# KiCad board PANEL5x4_COM_MOD.kicad_pcb (continued)
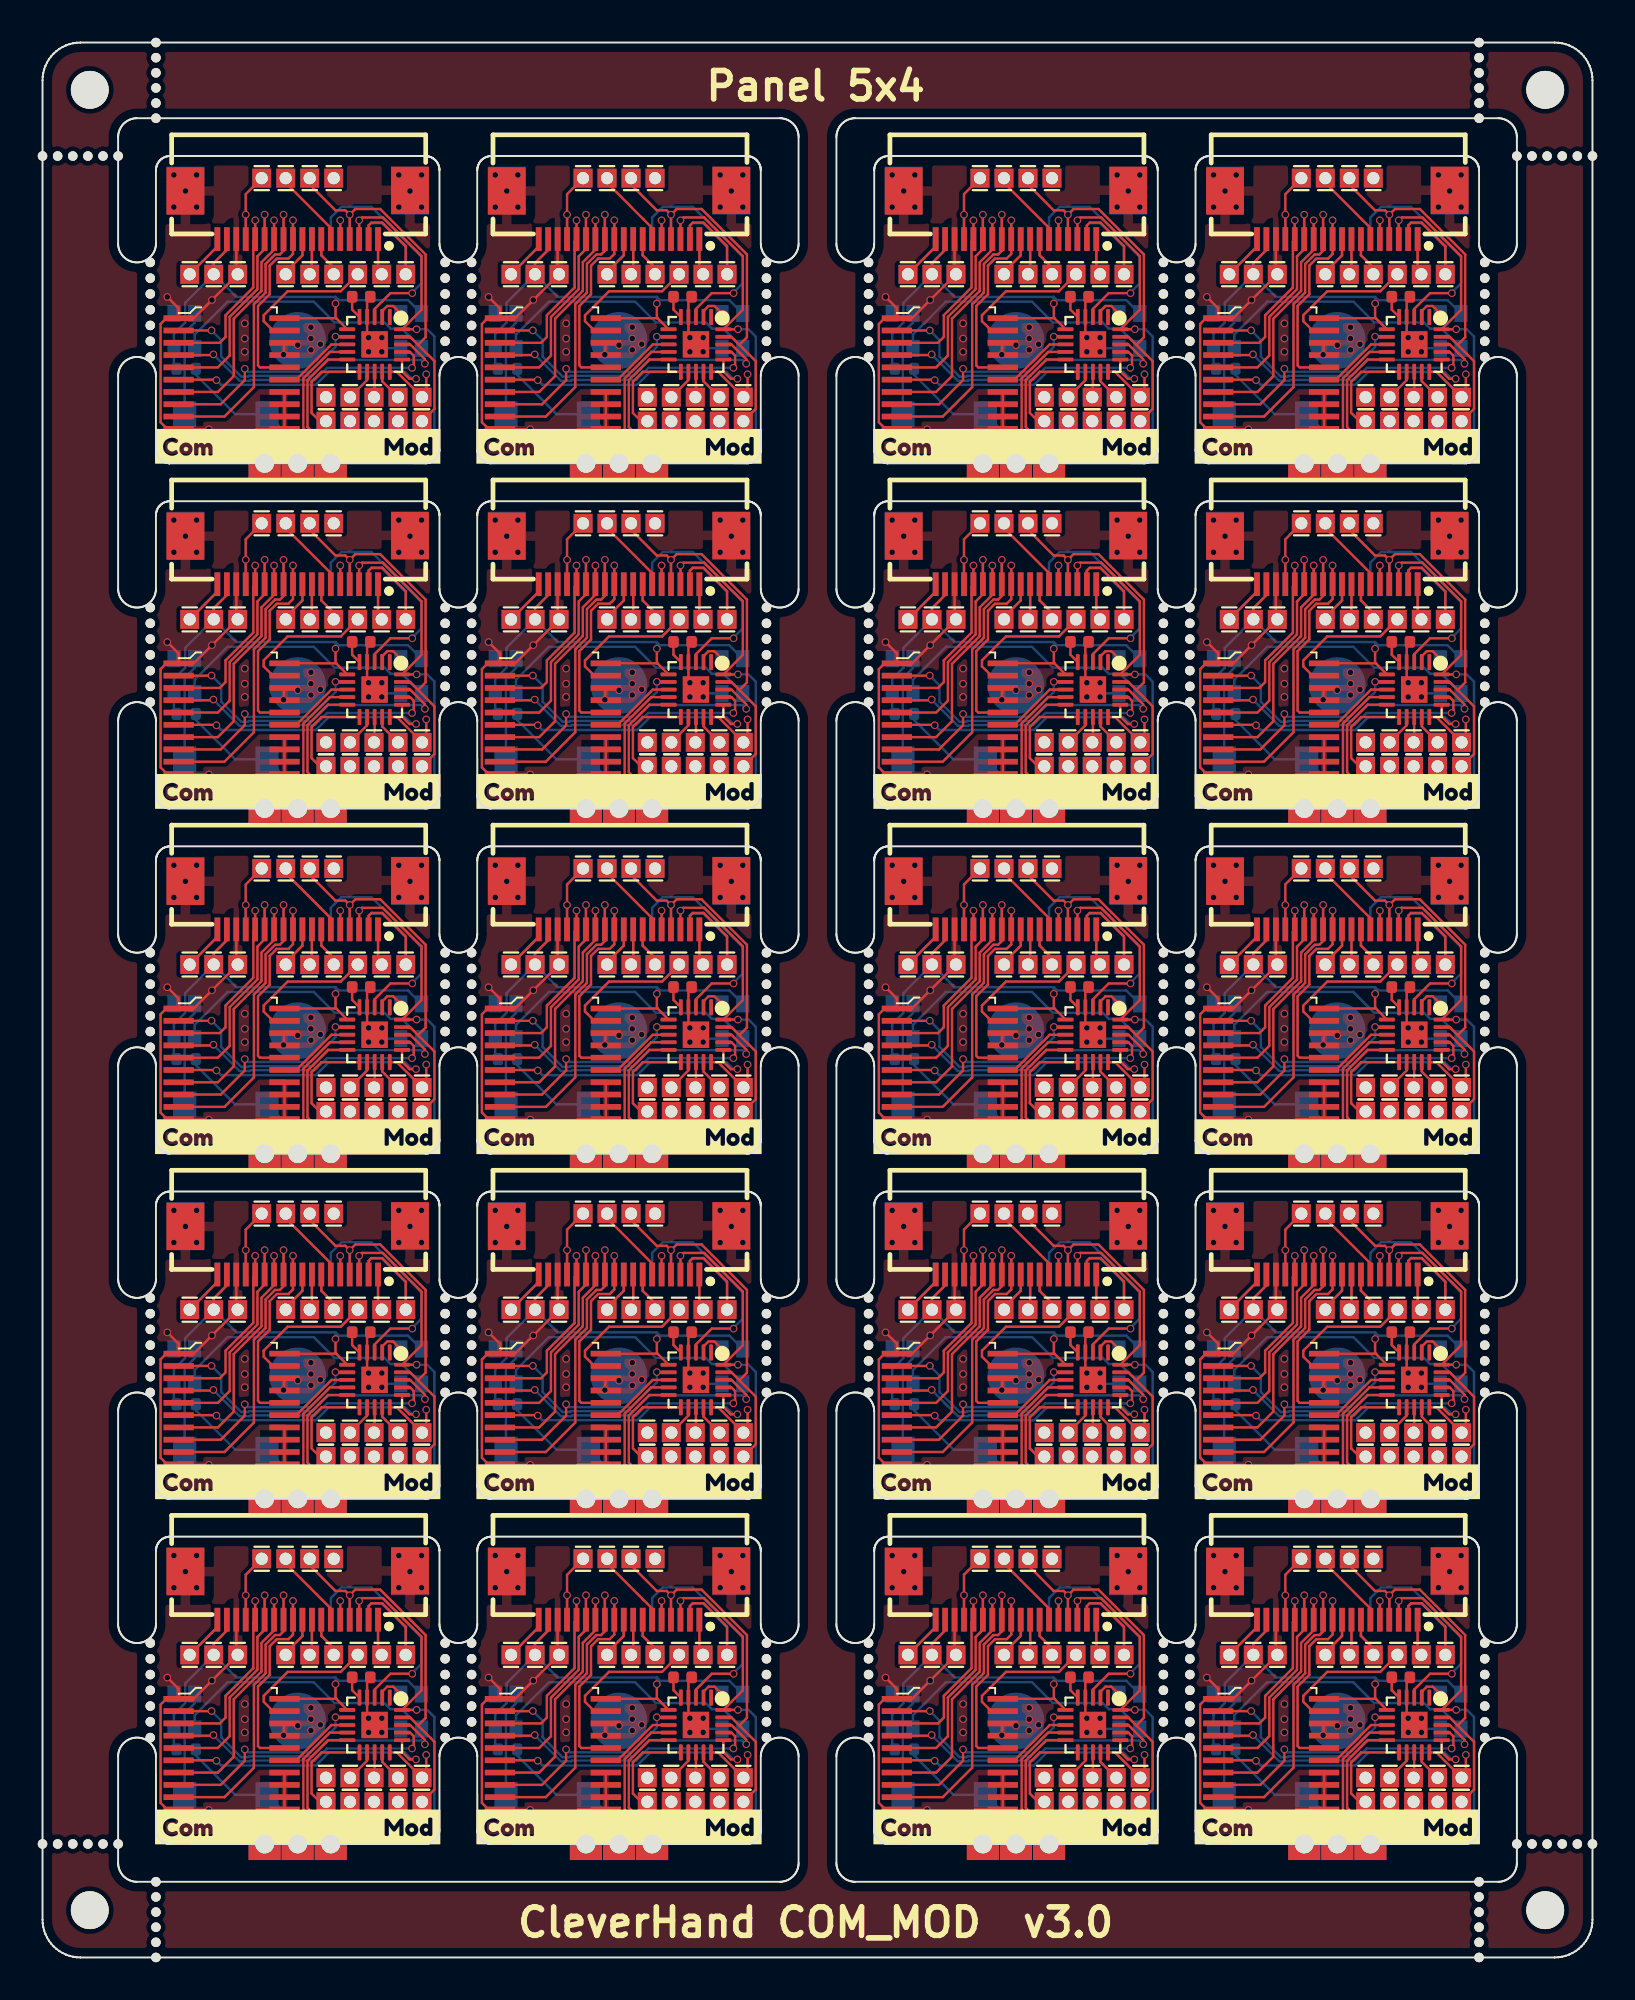
[diagram p0: board, top side]
## Routing (per net, layer and track width the routed paths; a pad name or vN(x,y) marks a point on that pad's centre or on a via; arc(x,y) is an arc through that point) (continued)
Board_13-/IO2: length 2.1
  Top w0.127: v1(32.75,37.1) 32.75,36.08
  Bottom w0.127: 32.75,36.08 v1(32.75,37.1)
Board_13-/LED_IN: length 1.6
  Top w0.127: U1#7.2 34.97,32.3 35.23,32.57 35.55,32.57 v1(35.95,32.17)
Board_13-/PICO: length 3.7
  Top w0.127: J6.1 31.25,34.37 31.25,36.08
  Bottom w0.127: J6.1 31.25,34.37 31.25,36.08
Board_13-/PICO_ARM: length 1.4
  Top w0.127: 34.54,27.75 34.57,27.78 U1#7.13
Board_13-/POCI: length 4.4
  Top w0.127: J5#13.1 29.87,34.37 30.75,35.25 30.75,36.08
  Bottom w0.127: J5#13.1 29.87,34.37 30.75,35.25 30.75,36.08
Board_13-/SCLK: length 4.2
  Top w0.127: 31.75,36.08 31.75,35.25 32.41,34.6 J7#18.1
  Bottom w0.127: 31.75,36.08 31.75,35.25 32.41,34.6 J7#18.1
Board_13-/SCLK_ARM: length 1.7
  Top w0.127: U1#7.12 34.17,28.65 33.27,27.75
Board_13-/SPICS_ARM: length 9.9
  Top w0.127: 34.54,26.48 33.67,25.61 31.27,25.61 30.8,26.08 30.8,28.74 32.2,30.14 U1#7.9
Board_13-/SWDIO/POCI_ARM: length 1.7
  Top w0.127: U1#7.14 34.97,28.59 35.81,27.75
Board_13-/Vcap: length 1.2
  Top w0.127: U1#7.5 33.38,32.38 C1#10.2
Board_13-GND: length 34.7
  Top w0.127: 29.34,28.03 U2#18.14 U2#18.11 ; v1(28.1,25.85) 28.32,26.08 U2#18.11 ; U2#18.11 30.45,26.08 ; C1#10.1 34.17,32.89 U1#7.4 34.17,30.94 34.21,30.9 v1(34.25,30.9) 34.25,30.86 U1#7.21 ; U2#18.1 23.55,31.93 23.25,31.62 23.25,26.42 23.59,26.08 U2#18.10 24.23,26.05 v1(25.8,26.05) ; U2#18.1 24.2,32.45 v1(23.6,33.05) ; U2#18.1 25,31.93 v1(25.96,32.89) J2#3.1 27.25,34.33 27.25,36.08 ; U2#18.18 v1(29.75,30) U2#18.17
  Bottom w0.127: 24.51,26.85 24.51,31.15 25.05,31.69 25.05,32.17 25.24,32.17 v1(25.96,32.89) ; 34.66,30.34 34.76,30.34 v1(34.95,30.15) 35.13,30.34 35.95,30.34 ; J2#3.1 27.25,34.33 27.25,36.08
  vias: v1(23.95,39.5) v1(23.95,37.8) v1(24.56,38.65) v1(25.15,39.5) v1(25.15,37.8) v1(27.7,31.65) v1(27.7,30.85) v1(27.7,30.15) v1(30.5,30.5) v1(31.2,31.45) v1(31.2,30.85) v1(31.2,30.25) v1(31.7,30.55) v1(34.25,30.15) v1(34.95,30.9) v1(35.85,39.5) v1(35.85,37.8) v1(36.44,38.65) v1(37.05,39.5) v1(37.05,37.8)
Board_13-Net-(LED1-DO): length 14.5
  Bottom w0.127: 25.05,30.34 25.05,31.06 26.79,32.8 31.35,32.8 32.45,31.7 35.09,31.7 35.41,31.38 36.01,31.38 37.05,30.34
Board_14-+3.3V: length 26.7
  Top w0.127: 53.55,31.91 53.5,31.96 v1(53.5,32.7) ; 53.55,31.91 53.53,31.93 U2#16.20 ; 53.55,31.91 U1#10.6 ; 47.75,36.08 47.75,35.54 47.05,34.84 J1#16.1
  Bottom w0.127: J1#16.1 48.26,33.05 53.5,33.05 ; J1#16.1 47.05,34.84 47.75,35.54 47.75,36.08 ; J1#16.1 45.55,32.74 45.55,31.7 44.95,31.1 44.95,29.39 R1.1 ; 58.05,32.17 57.34,32.88 53.67,32.88 53.5,33.05 ; 53.5,33.05 v1(53.5,32.7)
Board_14-/addr_bus_0: length 10.5
  Top w0.127: v1(49.25,37.1) 49.25,36.08 49.15,35.98 49.15,33.55 47.68,32.08 47.68,30.93 47.37,30.63 U2#16.3
  Bottom w0.127: 49.25,36.08 v1(49.25,37.1)
Board_14-/addr_bus_1: length 12.5
  Top w0.127: U2#16.5 47.27,29.33 47.9,29.95 47.9,31.99 49.37,33.46 49.37,35.2 49.75,35.58 v1(49.75,37.4)
  Bottom w0.127: 49.75,36.08 v1(49.75,37.4)
Board_14-/addr_bus_2: length 13.4
  Top w0.127: U2#16.7 47.27,28.03 48.12,28.87 48.12,31.9 49.58,33.37 49.58,34.88 50.25,35.55 v1(50.25,37.1)
  Bottom w0.127: 50.25,36.08 v1(50.25,37.1)
Board_14-/addr_bus_3: length 15.9
  Top w0.127: U2#16.9 47.62,26.73 49.18,28.28 49.18,32.66 49.8,33.28 49.8,34.79 50.3,35.3 50.55,35.3 50.75,35.49 v1(50.75,37.4)
  Bottom w0.127: 50.75,36.08 v1(50.75,37.4)
Board_14-/addr_bus_4: length 11.3
  Top w0.127: v1(51.25,37.1) 51.25,35.32 51.01,35.08 50.39,35.08 50.02,34.7 50.02,33.19 49.4,32.57 49.4,29.43 49.5,29.33 U2#16.16
  Bottom w0.127: 51.25,36.08 v1(51.25,37.1)
Board_14-/addr_mod_0: length 16.8
  Top w0.127: v1(46.94,31.28) 46.93,31.28 U2#16.2 ; v1(58.23,29.52) 58.23,29.76 57.44,30.54 U1#10.18
  Bottom w0.127: v1(58.23,29.52) 58.03,29.72 53.12,29.72 52.27,28.88 48.91,28.88 48.87,28.84 48.51,28.84 47.45,29.9 47.45,30.77 v1(46.94,31.28)
Board_14-/addr_mod_1: length 14.6
  Top w0.127: v1(57.55,29.3) 57.55,29.36 57.64,29.45 57.64,29.95 57.44,30.14 U1#10.17 ; U2#16.4 47,29.98 v1(47.04,30.01)
  Bottom w0.127: v1(47.04,30.01) 47.04,30 48.42,28.62 48.96,28.62 49,28.66 52.41,28.66 53.05,29.3 v1(57.55,29.3)
Board_14-/addr_mod_2: length 14.6
  Top w0.127: v1(57.76,28.72) 57.42,28.72 57.02,29.12 U1#10.16 ; U2#16.6 47.17,28.68 v1(47.2,28.65)
  Bottom w0.127: v1(57.76,28.72) 57.55,28.72 57.18,29.08 53.14,29.08 52.46,28.4 47.45,28.4 v1(47.2,28.65)
Board_14-/addr_mod_3: length 11.2
  Top w0.127: v1(53.5,30.95) 53.68,30.95 53.69,30.94 U1#10.7 ; v1(48.7,29.25) 48.7,28.65 47.42,27.38 U2#16.8
  Bottom w0.127: v1(48.7,29.25) 48.85,29.1 52.18,29.1 53.5,30.41 v1(53.5,30.95)
Board_14-/addr_mod_4: length 4.1
  Top w0.127: U1#10.8 54.12,30.54 53.29,30.54 51.42,28.68 U2#16.15
Board_14-/AIN0: length 5.3
  Top w0.127: U1#10.11 52.76,29.09 52.23,28.56 52.23,26.92 52.67,26.48 53,26.48
Board_14-/AUX1: length 4.9
  Top w0.127: J19#3.1 47.25,35.72 47.25,36.08
  Bottom w0.127: J19#3.1 47.25,35.72 47.25,36.08
Board_14-/AUX2: length 9.5
  Top w0.127: J20#19.1 57.22,35.73 55.97,36.98 55.4,36.98 55.25,36.83 55.25,36.08
  Bottom w0.127: 55.25,36.08 55.25,36.83 55.37,36.95 55.96,36.95 57.22,35.69 J20#19.1
Board_14-/AUX3: length 4.9
  Top w0.127: J3#12.1 48.75,38.49 v1(48.75,37.4) 48.75,36.08
  Bottom w0.127: v1(48.75,37.4) 48.75,36.08
Board_14-/CSB: length 7.5
  Top w0.127: J8#12.1 53.77,33.35 50.97,33.35 49.7,32.08 49.7,31.77 50.19,31.28 U2#16.19
Board_14-/extRef: length 3.8
  Top w0.127: 55.75,36.08 55.75,34.45 J9#17.1
  Bottom w0.127: J9#17.1 55.75,34.45 55.75,36.08
Board_14-/GPIO: length 17.7
  Top w0.127: 54.27,26.48 53.62,25.83 52.36,25.83 52.02,26.17 52.02,28.65 53.1,29.74 U1#10.10
  Bottom w0.127: R1.2 46.11,28.93 48.19,26.85 49.88,26.85 50.91,25.83 53.62,25.83 54.27,26.48
Board_14-/i2C_SCL: length 22.5
  Top w0.127: v1(57.79,31.34) U1#10.20 58.05,32.37 58.05,35.21 56.01,37.25 54.9,37.25 v1(54.75,37.1) 54.75,36.08
  In2.Cu w0.127: v1(54.75,37.1) 54.75,37.99 J23#9.1
  Bottom w0.127: v1(57.79,31.34) 58.35,31.34 58.73,30.96 58.73,25.83 57.46,25.83 56.81,26.48 ; v1(54.75,37.1) 54.75,36.08
Board_14-/I2C_SDA: length 21.5
  Top w0.127: v1(54.25,37.4) 54.02,37.63 53.49,37.63 52.13,38.99 J10#15.1 ; v1(54.25,37.4) 54.25,36.08 ; v1(54.25,37.4) 54.55,37.7 55.86,37.7 58.27,35.3 58.27,30.92 57.87,30.52 ; 58.08,26.48 58.73,27.13 58.73,29.65 57.87,30.52 ; 57.87,30.52 57.44,30.94 U1#10.19
  Bottom w0.127: v1(54.25,37.4) 54.25,36.08
Board_14-/IO1_in: length 12.2
  Top w0.127: U1#10.3 55.57,32.42 56.4,33.25 v1(57.56,33.25)
  Bottom w0.127: v1(57.56,33.25) 57.56,33.29 58.05,33.78 58.05,35.16 55.4,37.81 53.81,37.81 53.25,37.25 53.25,36.08
Board_14-/IO1_out: length 24.7
  Top w0.127: 53.25,36.08 53.25,36.7 50.87,39.09 J4.1 ; v1(58.3,28.96) 58.3,27.97 58.08,27.75 56.74,29.09 U1#10.15
  In2.Cu w0.127: v1(58.3,28.96) 58.64,29.3 58.64,34.96 55.7,37.9 55.7,38.34 54.01,40.03 51.09,40.03 50.87,39.8 J4.1
Board_14-/IO2: length 2.1
  Top w0.127: v1(53.75,37.1) 53.75,36.08
  Bottom w0.127: 53.75,36.08 v1(53.75,37.1)
Board_14-/LED_IN: length 1.6
  Top w0.127: U1#10.2 55.97,32.3 56.23,32.57 56.55,32.57 v1(56.95,32.17)
Board_14-/PICO: length 3.7
  Top w0.127: J6#7.1 52.25,34.37 52.25,36.08
  Bottom w0.127: J6#7.1 52.25,34.37 52.25,36.08
Board_14-/PICO_ARM: length 1.4
  Top w0.127: 55.54,27.75 55.57,27.78 U1#10.13
Board_14-/POCI: length 4.4
  Top w0.127: 51.75,36.08 51.75,35.25 50.87,34.37 J5#17.1
  Bottom w0.127: 51.75,36.08 51.75,35.25 50.87,34.37 J5#17.1
Board_14-/SCLK: length 4.2
  Top w0.127: 52.75,36.08 52.75,35.25 53.41,34.6 J7#20.1
  Bottom w0.127: 52.75,36.08 52.75,35.25 53.41,34.6 J7#20.1
Board_14-/SCLK_ARM: length 1.7
  Top w0.127: U1#10.12 55.17,28.65 54.27,27.75
Board_14-/SPICS_ARM: length 9.9
  Top w0.127: U1#10.9 53.2,30.14 51.8,28.74 51.8,26.08 52.27,25.61 54.67,25.61 55.54,26.48
Board_14-/SWDIO/POCI_ARM: length 1.7
  Top w0.127: U1#10.14 55.97,28.59 56.81,27.75
Board_14-/Vcap: length 1.2
  Top w0.127: U1#10.5 54.38,32.38 C1#14.2
Board_14-GND: length 34.7
  Top w0.127: U2#16.11 U2#16.14 50.34,28.03 ; U2#16.11 49.32,26.08 v1(49.1,25.85) ; U2#16.11 51.45,26.08 ; U2#16.1 45.2,32.45 v1(44.6,33.05) ; U2#16.1 46,31.93 v1(46.96,32.89) J2#15.1 48.25,34.33 48.25,36.08 ; U2#16.1 44.55,31.93 44.25,31.62 44.25,26.42 44.59,26.08 U2#16.10 45.23,26.05 v1(46.8,26.05) ; U1#10.21 55.25,30.86 v1(55.25,30.9) 55.21,30.9 55.17,30.94 U1#10.4 55.17,32.89 C1#14.1 ; U2#16.17 v1(50.75,30) U2#16.18
  Bottom w0.127: 56.95,30.34 56.13,30.34 v1(55.95,30.15) 55.76,30.34 55.66,30.34 ; v1(46.96,32.89) 46.24,32.17 46.05,32.17 46.05,31.69 45.51,31.15 45.51,26.85 ; J2#15.1 48.25,34.33 48.25,36.08
  vias: v1(44.95,39.5) v1(44.95,37.8) v1(45.56,38.65) v1(46.15,39.5) v1(46.15,37.8) v1(48.7,31.65) v1(48.7,30.85) v1(48.7,30.15) v1(51.5,30.5) v1(52.2,31.45) v1(52.2,30.85) v1(52.2,30.25) v1(52.7,30.55) v1(55.25,30.15) v1(55.95,30.9) v1(56.85,39.5) v1(56.85,37.8) v1(57.44,38.65) v1(58.05,39.5) v1(58.05,37.8)
Board_14-Net-(LED1-DO): length 14.5
  Bottom w0.127: 46.05,30.34 46.05,31.06 47.79,32.8 52.35,32.8 53.45,31.7 56.09,31.7 56.41,31.38 57.01,31.38 58.05,30.34
Board_15-+3.3V: length 26.7
  Top w0.127: 70.55,31.91 70.53,31.93 U2#19.20 ; 70.55,31.91 70.5,31.96 v1(70.5,32.7) ; 70.55,31.91 U1#16.6 ; 64.75,36.08 64.75,35.54 64.06,34.84 J1#6.1
  Bottom w0.127: J1#6.1 65.25,33.05 70.5,33.05 ; J1#6.1 62.55,32.74 62.55,31.7 61.95,31.1 61.95,29.39 R1#7.1 ; J1#6.1 64.06,34.84 64.75,35.54 64.75,36.08 ; 70.5,33.05 v1(70.5,32.7) ; 70.5,33.05 70.67,32.88 74.34,32.88 75.05,32.17
Board_15-/addr_bus_0: length 10.5
  Top w0.127: v1(66.25,37.1) 66.25,36.08 66.15,35.98 66.15,33.55 64.68,32.08 64.68,30.93 64.37,30.63 U2#19.3
  Bottom w0.127: 66.25,36.08 v1(66.25,37.1)
Board_15-/addr_bus_1: length 12.5
  Top w0.127: v1(66.75,37.4) 66.75,35.58 66.37,35.2 66.37,33.46 64.9,31.99 64.9,29.95 64.27,29.33 U2#19.5
  Bottom w0.127: 66.75,36.08 v1(66.75,37.4)
Board_15-/addr_bus_2: length 13.4
  Top w0.127: v1(67.25,37.1) 67.25,35.55 66.58,34.88 66.58,33.37 65.12,31.9 65.12,28.87 64.27,28.03 U2#19.7
  Bottom w0.127: 67.25,36.08 v1(67.25,37.1)
Board_15-/addr_bus_3: length 15.9
  Top w0.127: U2#19.9 64.62,26.73 66.18,28.28 66.18,32.66 66.8,33.28 66.8,34.79 67.3,35.3 67.55,35.3 67.75,35.49 v1(67.75,37.4)
  Bottom w0.127: 67.75,36.08 v1(67.75,37.4)
Board_15-/addr_bus_4: length 11.3
  Top w0.127: U2#19.16 66.5,29.33 66.4,29.43 66.4,32.57 67.02,33.19 67.02,34.7 67.39,35.08 68.01,35.08 68.25,35.32 v1(68.25,37.1)
  Bottom w0.127: 68.25,36.08 v1(68.25,37.1)
Board_15-/addr_mod_0: length 16.8
  Top w0.127: v1(75.23,29.52) 75.23,29.76 74.44,30.54 U1#16.18 ; v1(63.94,31.28) 63.93,31.28 U2#19.2
  Bottom w0.127: v1(75.23,29.52) 75.03,29.72 70.12,29.72 69.27,28.88 65.91,28.88 65.87,28.84 65.51,28.84 64.45,29.9 64.45,30.77 v1(63.94,31.28)
Board_15-/addr_mod_1: length 14.6
  Top w0.127: U2#19.4 64,29.98 v1(64.04,30.01) ; U1#16.17 74.44,30.14 74.64,29.95 74.64,29.45 74.55,29.36 v1(74.55,29.3)
  Bottom w0.127: v1(74.55,29.3) 70.05,29.3 69.41,28.66 66,28.66 65.96,28.62 65.42,28.62 64.04,30 v1(64.04,30.01)
Board_15-/addr_mod_2: length 14.6
  Top w0.127: U1#16.16 74.02,29.12 74.42,28.72 v1(74.76,28.72) ; U2#19.6 64.17,28.68 v1(64.2,28.65)
  Bottom w0.127: v1(74.76,28.72) 74.55,28.72 74.18,29.08 70.14,29.08 69.46,28.4 64.45,28.4 v1(64.2,28.65)
Board_15-/addr_mod_3: length 11.2
  Top w0.127: v1(70.5,30.95) 70.68,30.95 70.69,30.94 U1#16.7 ; U2#19.8 64.42,27.38 65.7,28.65 v1(65.7,29.25)
  Bottom w0.127: v1(70.5,30.95) 70.5,30.41 69.18,29.1 65.85,29.1 v1(65.7,29.25)
Board_15-/addr_mod_4: length 4.1
  Top w0.127: U1#16.8 71.12,30.54 70.29,30.54 68.42,28.68 U2#19.15
Board_15-/AIN0: length 5.3
  Top w0.127: 70,26.48 69.67,26.48 69.23,26.92 69.23,28.56 69.76,29.09 U1#16.11
Board_15-/AUX1: length 4.9
  Top w0.127: 64.25,36.08 64.25,35.72 J19#15.1
  Bottom w0.127: J19#15.1 64.25,35.72 64.25,36.08
Board_15-/AUX2: length 9.5
  Top w0.127: 72.25,36.08 72.25,36.83 72.4,36.98 72.97,36.98 74.22,35.73 J20#9.1
  Bottom w0.127: 72.25,36.08 72.25,36.83 72.37,36.95 72.96,36.95 74.22,35.69 J20#9.1
Board_15-/AUX3: length 4.9
  Top w0.127: 65.75,36.08 v1(65.75,37.4) 65.75,38.49 J3#10.1
  Bottom w0.127: v1(65.75,37.4) 65.75,36.08
Board_15-/CSB: length 7.5
  Top w0.127: J8#9.1 70.78,33.35 67.97,33.35 66.7,32.08 66.7,31.77 67.19,31.28 U2#19.19
Board_15-/extRef: length 3.8
  Top w0.127: 72.75,36.08 72.75,34.45 J9#13.1
  Bottom w0.127: 72.75,36.08 72.75,34.45 J9#13.1
Board_15-/GPIO: length 17.7
  Top w0.127: U1#16.10 70.1,29.74 69.02,28.65 69.02,26.17 69.36,25.83 70.62,25.83 71.27,26.48
  Bottom w0.127: R1#7.2 63.11,28.93 65.19,26.85 66.88,26.85 67.91,25.83 70.62,25.83 71.27,26.48
Board_15-/i2C_SCL: length 22.5
  Top w0.127: 71.75,36.08 v1(71.75,37.1) 71.9,37.25 73.01,37.25 75.05,35.21 75.05,32.37 U1#16.20 v1(74.79,31.34)
  In2.Cu w0.127: J23#10.1 71.75,37.99 v1(71.75,37.1)
  Bottom w0.127: v1(74.79,31.34) 75.35,31.34 75.73,30.96 75.73,25.83 74.46,25.83 73.81,26.48 ; v1(71.75,37.1) 71.75,36.08
Board_15-/I2C_SDA: length 21.5
  Top w0.127: 74.87,30.52 74.44,30.94 U1#16.19 ; 74.87,30.52 75.73,29.65 75.73,27.13 75.08,26.48 ; 74.87,30.52 75.27,30.92 75.27,35.3 72.86,37.7 71.55,37.7 v1(71.25,37.4) ; v1(71.25,37.4) 71.02,37.63 70.5,37.63 69.14,38.99 J10#9.1 ; v1(71.25,37.4) 71.25,36.08
  Bottom w0.127: v1(71.25,37.4) 71.25,36.08
Board_15-/IO1_in: length 12.2
  Top w0.127: U1#16.3 72.57,32.42 73.4,33.25 v1(74.56,33.25)
  Bottom w0.127: v1(74.56,33.25) 74.56,33.29 75.05,33.78 75.05,35.16 72.4,37.81 70.81,37.81 70.25,37.25 70.25,36.08
Board_15-/IO1_out: length 24.7
  Top w0.127: v1(75.3,28.96) 75.3,27.97 75.08,27.75 73.74,29.09 U1#16.15 ; J4#11.1 67.86,39.09 70.25,36.7 70.25,36.08
  In2.Cu w0.127: J4#11.1 67.86,39.8 68.09,40.03 71.01,40.03 72.7,38.34 72.7,37.9 75.64,34.96 75.64,29.3 v1(75.3,28.96)
Board_15-/IO2: length 2.1
  Top w0.127: v1(70.75,37.1) 70.75,36.08
  Bottom w0.127: 70.75,36.08 v1(70.75,37.1)
Board_15-/LED_IN: length 1.6
  Top w0.127: U1#16.2 72.97,32.3 73.23,32.57 73.55,32.57 v1(73.95,32.17)
Board_15-/PICO: length 3.7
  Top w0.127: J6#18.1 69.25,34.37 69.25,36.08
  Bottom w0.127: 69.25,36.08 69.25,34.37 J6#18.1
Board_15-/PICO_ARM: length 1.4
  Top w0.127: 72.54,27.75 72.57,27.78 U1#16.13
Board_15-/POCI: length 4.4
  Top w0.127: J5.1 67.86,34.37 68.75,35.25 68.75,36.08
  Bottom w0.127: 68.75,36.08 68.75,35.25 67.86,34.37 J5.1
Board_15-/SCLK: length 4.2
  Top w0.127: J7#8.1 70.41,34.6 69.75,35.25 69.75,36.08
  Bottom w0.127: J7#8.1 70.41,34.6 69.75,35.25 69.75,36.08
Board_15-/SCLK_ARM: length 1.7
  Top w0.127: 71.27,27.75 72.17,28.65 U1#16.12
Board_15-/SPICS_ARM: length 9.9
  Top w0.127: 72.54,26.48 71.67,25.61 69.27,25.61 68.8,26.08 68.8,28.74 70.2,30.14 U1#16.9
Board_15-/SWDIO/POCI_ARM: length 1.7
  Top w0.127: 73.81,27.75 72.97,28.59 U1#16.14
Board_15-/Vcap: length 1.2
  Top w0.127: U1#16.5 71.38,32.38 C1#7.2
Board_15-GND: length 34.7
  Top w0.127: v1(66.1,25.85) 66.32,26.08 U2#19.11 ; U2#19.11 U2#19.14 67.34,28.03 ; U2#19.11 68.45,26.08 ; C1#7.1 72.17,32.89 U1#16.4 72.17,30.94 72.21,30.9 v1(72.25,30.9) 72.25,30.86 U1#16.21 ; 65.25,36.08 65.25,34.33 J2#13.1 v1(63.96,32.89) 63,31.93 U2#19.1 ; U2#19.18 v1(67.75,30) U2#19.17 ; v1(61.6,33.05) 62.2,32.45 U2#19.1 ; v1(63.8,26.05) 62.23,26.05 U2#19.10 61.59,26.08 61.25,26.42 61.25,31.62 61.55,31.93 U2#19.1
  Bottom w0.127: J2#13.1 65.25,34.33 65.25,36.08 ; 72.66,30.34 72.76,30.34 v1(72.95,30.15) 73.13,30.34 73.95,30.34 ; 62.51,26.85 62.51,31.15 63.05,31.69 63.05,32.17 63.24,32.17 v1(63.96,32.89)
  vias: v1(61.95,39.5) v1(61.95,37.8) v1(62.56,38.65) v1(63.15,39.5) v1(63.15,37.8) v1(65.7,31.65) v1(65.7,30.85) v1(65.7,30.15) v1(68.5,30.5) v1(69.2,31.45) v1(69.2,30.85) v1(69.2,30.25) v1(69.7,30.55) v1(72.25,30.15) v1(72.95,30.9) v1(73.85,39.5) v1(73.85,37.8) v1(74.44,38.65) v1(75.05,39.5) v1(75.05,37.8)
Board_15-Net-(LED1-DO): length 14.5
  Bottom w0.127: 75.05,30.34 74.01,31.38 73.41,31.38 73.09,31.7 70.45,31.7 69.35,32.8 64.79,32.8 63.05,31.06 63.05,30.34
Board_16-+3.3V: length 26.7
  Top w0.127: 15.55,13.66 15.53,13.67 U2#20.20 ; 15.55,13.66 15.5,13.71 v1(15.5,14.45) ; 15.55,13.66 U1.6 ; 9.75,17.83 9.75,17.29 9.05,16.59 J1#4.1
  Bottom w0.127: J1#4.1 9.05,16.59 9.75,17.29 9.75,17.83 ; J1#4.1 7.55,14.49 7.55,13.45 6.95,12.85 6.95,11.14 R1#5.1 ; J1#4.1 10.25,14.8 15.5,14.8 ; 15.5,14.8 v1(15.5,14.45) ; 15.5,14.8 15.67,14.63 19.34,14.63 20.05,13.92
Board_16-/addr_bus_0: length 10.5
  Top w0.127: U2#20.3 9.37,12.38 9.68,12.68 9.68,13.83 11.15,15.3 11.15,17.72 11.25,17.83 v1(11.25,18.85)
  Bottom w0.127: 11.25,17.83 v1(11.25,18.85)
Board_16-/addr_bus_1: length 12.5
  Top w0.127: U2#20.5 9.27,11.08 9.9,11.7 9.9,13.74 11.37,15.21 11.37,16.95 11.75,17.33 v1(11.75,19.15)
  Bottom w0.127: 11.75,17.83 v1(11.75,19.15)
Board_16-/addr_bus_2: length 13.4
  Top w0.127: U2#20.7 9.27,9.78 10.12,10.62 10.12,13.65 11.58,15.12 11.58,16.63 12.25,17.3 v1(12.25,18.85)
  Bottom w0.127: 12.25,17.83 v1(12.25,18.85)
Board_16-/addr_bus_3: length 15.9
  Top w0.127: v1(12.75,19.15) 12.75,17.24 12.55,17.05 12.3,17.05 11.8,16.54 11.8,15.03 11.18,14.41 11.18,10.03 9.62,8.48 U2#20.9
  Bottom w0.127: 12.75,17.83 v1(12.75,19.15)
Board_16-/addr_bus_4: length 11.3
  Top w0.127: v1(13.25,18.85) 13.25,17.07 13.01,16.83 12.39,16.83 12.02,16.45 12.02,14.94 11.4,14.32 11.4,11.18 11.5,11.08 U2#20.16
  Bottom w0.127: 13.25,17.83 v1(13.25,18.85)
Board_16-/addr_mod_0: length 16.8
  Top w0.127: v1(20.23,11.27) 20.23,11.51 19.44,12.29 U1.18 ; v1(8.94,13.03) 8.93,13.03 U2#20.2
  Bottom w0.127: v1(8.94,13.03) 9.45,12.52 9.45,11.65 10.51,10.59 10.87,10.59 10.91,10.63 14.27,10.63 15.12,11.47 20.03,11.47 v1(20.23,11.27)
Board_16-/addr_mod_1: length 14.6
  Top w0.127: U1.17 19.44,11.89 19.64,11.7 19.64,11.2 19.55,11.11 v1(19.55,11.05) ; U2#20.4 9,11.73 v1(9.04,11.76)
  Bottom w0.127: v1(19.55,11.05) 15.05,11.05 14.41,10.41 11,10.41 10.96,10.37 10.42,10.37 9.04,11.75 v1(9.04,11.76)
Board_16-/addr_mod_2: length 14.6
  Top w0.127: v1(19.76,10.47) 19.42,10.47 19.02,10.87 U1.16 ; U2#20.6 9.17,10.42 v1(9.2,10.4)
  Bottom w0.127: v1(19.76,10.47) 19.55,10.47 19.18,10.83 15.14,10.83 14.46,10.15 9.45,10.15 v1(9.2,10.4)
Board_16-/addr_mod_3: length 11.2
  Top w0.127: U1.7 15.69,12.69 15.68,12.7 v1(15.5,12.7) ; U2#20.8 9.42,9.12 10.7,10.4 v1(10.7,11)
  Bottom w0.127: v1(15.5,12.7) 15.5,12.16 14.18,10.85 10.85,10.85 v1(10.7,11)
Board_16-/addr_mod_4: length 4.1
  Top w0.127: U2#20.15 13.42,10.42 15.29,12.29 16.12,12.29 U1.8
Board_16-/AIN0: length 5.3
  Top w0.127: 15,8.23 14.67,8.23 14.23,8.67 14.23,10.31 14.76,10.84 U1.11
Board_16-/AUX1: length 4.9
  Top w0.127: J19#9.1 9.25,17.47 9.25,17.83
  Bottom w0.127: J19#9.1 9.25,17.47 9.25,17.83
Board_16-/AUX2: length 9.5
  Top w0.127: J20#10.1 19.21,17.48 17.97,18.73 17.4,18.73 17.25,18.58 17.25,17.83
  Bottom w0.127: 17.25,17.83 17.25,18.58 17.37,18.7 17.96,18.7 19.21,17.44 J20#10.1
Board_16-/AUX3: length 4.9
  Top w0.127: 10.75,17.83 v1(10.75,19.15) 10.75,20.23 J3#13.1
  Bottom w0.127: v1(10.75,19.15) 10.75,17.83
Board_16-/CSB: length 7.5
  Top w0.127: U2#20.19 12.19,13.03 11.7,13.52 11.7,13.83 12.97,15.1 15.77,15.1 J8#14.1
Board_16-/extRef: length 3.8
  Top w0.127: J9#8.1 17.75,16.2 17.75,17.83
  Bottom w0.127: 17.75,17.83 17.75,16.2 J9#8.1
Board_16-/GPIO: length 17.7
  Top w0.127: 16.27,8.23 15.62,7.58 14.36,7.58 14.02,7.92 14.02,10.4 15.1,11.49 U1.10
  Bottom w0.127: R1#5.2 8.11,10.68 10.19,8.6 11.88,8.6 12.91,7.58 15.62,7.58 16.27,8.23
Board_16-/i2C_SCL: length 22.5
  Top w0.127: 16.75,17.83 v1(16.75,18.85) 16.9,19 18.01,19 20.05,16.96 20.05,14.12 U1.20 v1(19.79,13.09)
  In2.Cu w0.127: J23#13.1 16.75,19.74 v1(16.75,18.85)
  Bottom w0.127: v1(19.79,13.09) 20.35,13.09 20.73,12.71 20.73,7.58 19.46,7.58 18.81,8.23 ; v1(16.75,18.85) 16.75,17.83
Board_16-/I2C_SDA: length 21.5
  Top w0.127: 20.08,8.23 20.73,8.88 20.73,11.4 19.87,12.27 ; 19.87,12.27 20.27,12.67 20.27,17.05 17.86,19.45 16.55,19.45 v1(16.25,19.15) ; 19.87,12.27 19.44,12.69 U1.19 ; v1(16.25,19.15) 16.02,19.38 15.5,19.38 14.14,20.74 J10#11.1 ; v1(16.25,19.15) 16.25,17.83
  Bottom w0.127: v1(16.25,19.15) 16.25,17.83
Board_16-/IO1_in: length 12.2
  Top w0.127: v1(19.56,15) 18.4,15 17.57,14.17 U1.3
  Bottom w0.127: 15.25,17.83 15.25,19 15.81,19.56 17.4,19.56 20.05,16.91 20.05,15.53 19.56,15.04 v1(19.56,15)
Board_16-/IO1_out: length 24.7
  Top w0.127: U1.15 18.74,10.84 20.08,9.5 20.3,9.72 v1(20.3,10.71) ; J4#16.1 12.86,20.83 15.25,18.45 15.25,17.83
  In2.Cu w0.127: J4#16.1 12.86,21.55 13.09,21.78 16.01,21.78 17.7,20.09 17.7,19.65 20.64,16.71 20.64,11.05 v1(20.3,10.71)
Board_16-/IO2: length 2.1
  Top w0.127: v1(15.75,18.85) 15.75,17.83
  Bottom w0.127: 15.75,17.83 v1(15.75,18.85)
Board_16-/LED_IN: length 1.6
  Top w0.127: U1.2 17.97,14.05 18.23,14.32 18.55,14.32 v1(18.95,13.92)
Board_16-/PICO: length 3.7
  Top w0.127: J6#6.1 14.25,16.12 14.25,17.83
  Bottom w0.127: J6#6.1 14.25,16.12 14.25,17.83
Board_16-/PICO_ARM: length 1.4
  Top w0.127: U1.13 17.57,9.53 17.54,9.5
Board_16-/POCI: length 4.4
  Top w0.127: J5#8.1 12.86,16.12 13.75,17 13.75,17.83
  Bottom w0.127: 13.75,17.83 13.75,17 12.86,16.12 J5#8.1
Board_16-/SCLK: length 4.2
  Top w0.127: J7.1 15.41,16.35 14.75,17 14.75,17.83
  Bottom w0.127: 14.75,17.83 14.75,17 15.41,16.34 J7.1
Board_16-/SCLK_ARM: length 1.7
  Top w0.127: 16.27,9.5 17.17,10.4 U1.12
Board_16-/SPICS_ARM: length 9.9
  Top w0.127: U1.9 15.2,11.89 13.8,10.49 13.8,7.83 14.27,7.36 16.67,7.36 17.54,8.23
Board_16-/SWDIO/POCI_ARM: length 1.7
  Top w0.127: 18.81,9.5 17.97,10.34 U1.14
Board_16-/Vcap: length 1.2
  Top w0.127: C1#15.2 16.38,14.13 U1.5
Board_16-GND: length 34.7
  Top w0.127: U2#20.11 13.45,7.83 ; U2#20.11 U2#20.14 12.34,9.78 ; U2#20.11 11.32,7.83 v1(11.1,7.6) ; C1#15.1 17.17,14.64 U1.4 17.17,12.69 17.21,12.65 v1(17.25,12.65) 17.25,12.61 U1.21 ; U2#20.17 v1(12.75,11.75) U2#20.18 ; U2#20.1 8,13.67 v1(8.96,14.64) J2#12.1 10.25,16.08 10.25,17.83 ; U2#20.1 7.2,14.2 v1(6.6,14.8) ; U2#20.1 6.55,13.67 6.25,13.37 6.25,8.17 6.59,7.83 U2#20.10 7.23,7.8 v1(8.8,7.8)
  Bottom w0.127: v1(8.96,14.64) 8.24,13.92 8.05,13.92 8.05,13.44 7.51,12.9 7.51,8.6 ; 17.66,12.09 17.76,12.09 v1(17.95,11.9) 18.13,12.09 18.95,12.09 ; 10.25,17.83 10.25,16.08 J2#12.1
  vias: v1(6.95,21.25) v1(6.95,19.55) v1(7.56,20.4) v1(8.15,21.25) v1(8.15,19.55) v1(10.7,13.4) v1(10.7,12.6) v1(10.7,11.9) v1(13.5,12.25) v1(14.2,13.2) v1(14.2,12.6) v1(14.2,12) v1(14.7,12.3) v1(17.25,11.9) v1(17.95,12.65) v1(18.85,21.25) v1(18.85,19.55) v1(19.44,20.4) v1(20.05,21.25) v1(20.05,19.55)
Board_16-Net-(LED1-DO): length 14.5
  Bottom w0.127: 8.05,12.09 8.05,12.81 9.79,14.55 14.35,14.55 15.45,13.45 18.09,13.45 18.41,13.13 19.01,13.13 20.05,12.09
Board_17-+3.3V: length 26.7
  Top w0.127: 26.75,17.83 26.75,17.29 26.05,16.59 J1#5.1 ; U2#15.20 32.53,13.67 32.55,13.66 ; 32.55,13.66 32.5,13.71 v1(32.5,14.45) ; 32.55,13.66 U1#2.6
  Bottom w0.127: 37.05,13.92 36.34,14.63 32.67,14.63 32.5,14.8 ; R1#18.1 23.95,11.14 23.95,12.85 24.55,13.45 24.55,14.49 J1#5.1 ; 32.5,14.8 27.26,14.8 J1#5.1 ; 32.5,14.8 v1(32.5,14.45) ; J1#5.1 26.05,16.59 26.75,17.29 26.75,17.83
Board_17-/addr_bus_0: length 10.5
  Top w0.127: v1(28.25,18.85) 28.25,17.83 28.15,17.72 28.15,15.3 26.68,13.83 26.68,12.68 26.37,12.38 U2#15.3